# Altium PCB NC_Menlo Micro SP8T RF Board_04212024.PcbDoc (part 2 of 3)
Units mil, origin at the board's own origin, x right, y up, seen from the top; angles counter-clockwise.
Board outline 3670.29 x 2461.63 mil, 6 copper layers (TOP, L02_GND, L03_SIG, L04_GND, L05_GND, BOTTOM), stack 47.2 mil thick; 45 components, 41 nets, 408 pads, 2496 vias.
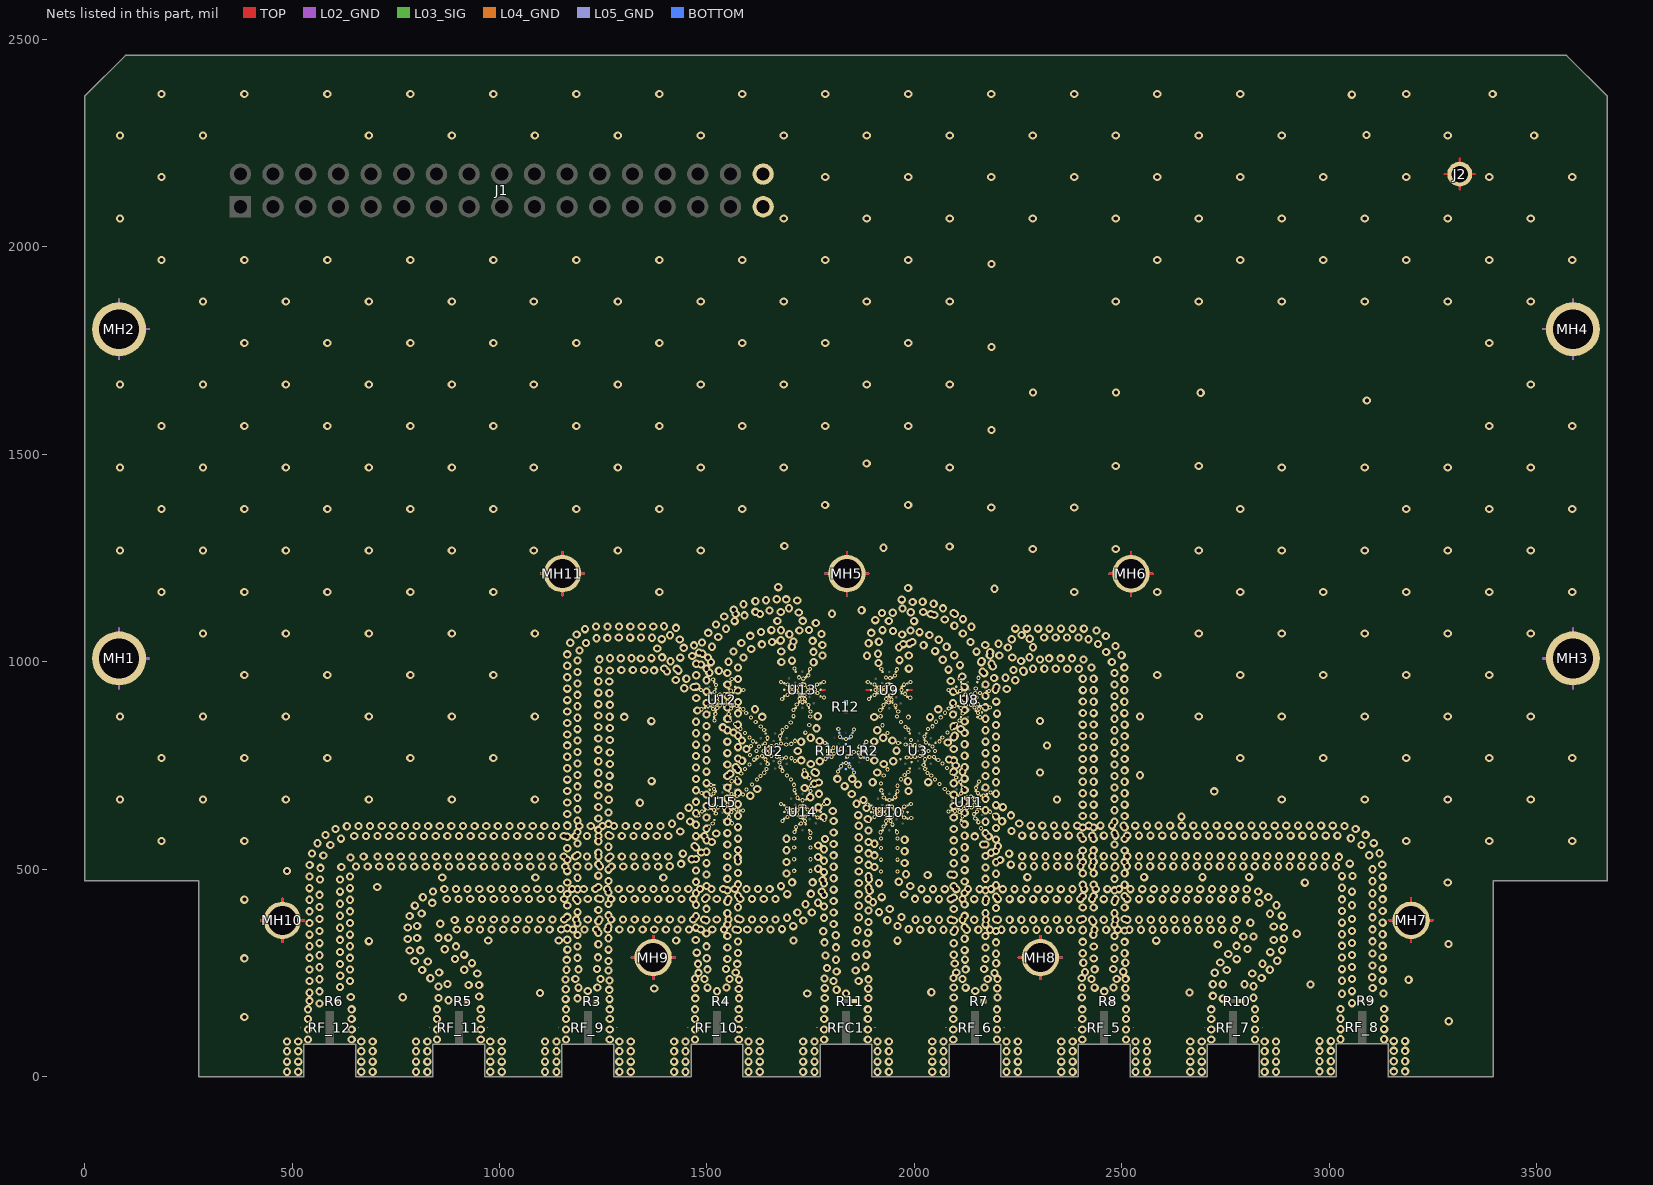
[diagram p6: the nets of this part, all layers, seen from the top]

## Via types
v1: diameter 20, hole 10, TOP to L02_GND, tented top, 791 vias
v2: diameter 20, hole 10, L05_GND to BOTTOM, tented top, 635 vias
v3: diameter 20, hole 10, TOP to BOTTOM, tented top, 619 vias
v4: diameter 10, hole 5, TOP to L02_GND, tented top, 386 vias
v5: diameter 12.01, hole 5.98, TOP to BOTTOM, 40 vias
v6: diameter 10, hole 5, L05_GND to BOTTOM, tented bottom, 25 vias

## Nets (pads, with @x,y where several pads share a name; then routed paths per layer and width w, separated by ;. In a path a pad name is that pad's centre, name@x,y a point inside that pad or via, vN(x,y) a via of type N, cw(c..) or ccw(c..) an arc to the next point about the centre after c; other vN are vias at no path point) (continued)
GND: J1.33 J1.34 J2.1 MH1.1 MH2.1 MH3.1 MH4.1 MH5.1 MH6.1 MH7.1 MH8.1 MH9.1 MH10.1 MH11.1 R1.2 R2.1 R3.2 R4.2 R5.2 R6.2 R7.2 R8.2 R9.2 R10.2 R11.2 R12.2 RF_5.2 RF_5.3 RF_6.2 RF_6.3 RF_7.2 RF_7.3 RF_8.2 RF_8.3 RF_9.2 RF_9.3 RF_10.2 RF_10.3 RF_11.2 RF_11.3 RF_12.2 RF_12.3 RFC1.2 RFC1.3 U1.1 U1.3 U1.4 U1.5 U1.6 U1.8 U1.10 U1.12 U1.13 U1.15 U1.17 U1.18 U1.19 U1.20 U1.22 U1.23 U1.24 U1.25 U1.26 U1.27 U1.28 U2.1 U2.3 U2.5 U2.6 U2.8 U2.10 U2.12 U2.13 U2.15 U2.17 U2.18 U2.19 U2.20 U2.22 U2.23 U2.24 U2.25 U2.26 U2.27 U2.28 U3.1 U3.3 U3.5 U3.6 U3.8 U3.10 U3.12 U3.13 U3.15 U3.17 U3.18 U3.19 U3.20 U3.22 U3.23 U3.24 U3.25 U3.26 U3.27 U3.28 U8.1 U8.3 U8.4 U8.5 U8.6 U8.8 U8.10 U8.11 U8.12 U8.13 U8.15 U8.17 U8.18 U8.19 U8.20 U8.22 U8.23 U8.24 U8.25 U8.26 U8.27 U8.28 U9.1 U9.3 U9.4 U9.5 U9.6 U9.8 U9.10 U9.11 U9.12 U9.13 U9.15 U9.17 U9.18 U9.19 U9.20 U9.22 U9.23 U9.24 U9.25 U9.26 U9.27 U9.28 U10.1 U10.3 U10.4 U10.5 U10.6 U10.8 U10.10 U10.11 U10.12 U10.13 U10.15 U10.17 U10.18 U10.19 U10.20 U10.22 U10.23 U10.24 U10.25 U10.26 U10.27 U10.28 U11.1 U11.3 U11.4 U11.5 U11.6 U11.8 U11.10 U11.11 U11.12 U11.13 U11.15 U11.17 U11.18 U11.19 U11.20 U11.22 U11.23 U11.24 U11.25 U11.26 U11.27 U11.28 U12.1 U12.3 U12.4 U12.5 U12.6 U12.8 U12.10 U12.11 U12.12 U12.13 U12.15 U12.17 U12.18 U12.19 U12.20 U12.22 U12.23 U12.24 U12.25 U12.26 U12.27 U12.28 U13.1 U13.3 U13.4 U13.5 U13.6 U13.8 U13.10 U13.11 U13.12 U13.13 U13.15 U13.17 U13.18 U13.19 U13.20 U13.22 U13.23 U13.24 U13.25 U13.26 U13.27 U13.28 U14.1 U14.3 U14.4 U14.5 U14.6 U14.8 U14.10 U14.11 U14.12 U14.13 U14.15 U14.17 U14.18 U14.19 U14.20 U14.22 U14.23 U14.24 U14.25 U14.26 U14.27 U14.28 U15.1 U15.3 U15.4 U15.5 U15.6 U15.8 U15.10 U15.11 U15.12 U15.13 U15.15 U15.17 U15.18 U15.19 U15.20 U15.22 U15.23 U15.24 U15.25 U15.26 U15.27 U15.28 | length 13236.7
  TOP w5: 424.92,376.49 MH10.1@476.94,376.49 ; 476.94,324.47 MH10.1@476.94,376.49 ; 476.94,428.51 MH10.1@476.94,376.49 ; 528.96,376.49 MH10.1@476.94,376.49 ; 1099.85,1212.02 MH11.1@1151.87,1212.02 ; 1151.87,1160 MH11.1@1151.87,1212.02 ; 1151.87,1264.04 MH11.1@1151.87,1212.02 ; 1203.89,1212.02 MH11.1@1151.87,1212.02 ; 1318.53,286.83 MH9.1@1370.55,286.83 ; 1370.55,234.81 MH9.1@1370.55,286.83 ; 1370.55,338.85 MH9.1@1370.55,286.83 ; 1422.57,286.83 MH9.1@1370.55,286.83 ; U12.11@1505.85,877.2 U12.11@1505.94,877.21 ; U15.4@1506.49,691.45 U15.4@1506.49,691.45 ; U12.4@1567.82,939.09 U12.4@1568.02,939.09 ; U15.11@1568.37,629.37 U15.11@1568.37,629.57 ; U14.4@1686.41,637.87 U14.4@1686.58,637.72 ; U13.4@1773.71,931.89 1785.03,931.89 ; U14.11@1774.12,637.72 U14.11@1774.28,637.87 ; 1785.1,1212.03 MH5.1@1837.12,1212.03 ; 1837.12,1160.01 MH5.1@1837.12,1212.03 ; 1837.12,1264.05 MH5.1@1837.12,1212.03 ; 1884.12,931.34 U9.11@1895.44,931.34 ; 1889.14,1212.03 MH5.1@1837.12,1212.03 ; U10.4@1895.74,637.24 U10.4@1895.91,637.4 ; U9.4@1982.96,931.34 1994.28,931.34 ; U10.11@1983.43,637.4 U10.11@1983.49,637.44 ; U8.11@2100.85,939.49 U8.11@2101.06,939.48 ; U11.4@2101.52,630.2 U11.4@2101.53,630.4 ; U8.4@2162.94,877.6 U8.4@2163.02,877.6 ; 2251.45,286.73 MH8.1@2303.47,286.73 ; 2303.47,234.71 MH8.1@2303.47,286.73 ; 2303.47,338.75 MH8.1@2303.47,286.73 ; 2355.49,286.73 MH8.1@2303.47,286.73 ; 2469.98,1211.78 MH6.1@2522,1211.78 ; 2522,1159.76 MH6.1@2522,1211.78 ; 2522,1263.8 MH6.1@2522,1211.78 ; 2574.02,1211.78 MH6.1@2522,1211.78 ; 3145.03,376.66 MH7.1@3197.05,376.66 ; 3197.05,324.64 MH7.1@3197.05,376.66 ; 3197.05,428.68 MH7.1@3197.05,376.66 ; 3249.07,376.66 MH7.1@3197.05,376.66 ; 3277.26,2174.96 J2.1@3314.28,2174.96 ; 3314.28,2137.94 J2.1@3314.28,2174.96 ; 3314.28,2211.98 J2.1@3314.28,2174.96 ; 3351.3,2174.96 J2.1@3314.28,2174.96
  TOP w10: v3@1881.82,189.12 v3@1882.1,189.4
  L02_GND w5: 83.18,935.85 MH1.1@83.18,1007.87 ; 83.18,1079.89 MH1.1@83.18,1007.87 ; 83.18,1729.16 MH2.1@83.18,1801.18 ; 83.18,1873.2 MH2.1@83.18,1801.18 ; 155.2,1007.87 MH1.1@83.18,1007.87 ; 155.2,1801.18 MH2.1@83.18,1801.18 ; 424.92,376.49 MH10.1@476.94,376.49 ; 476.94,324.47 MH10.1@476.94,376.49 ; 476.94,428.51 MH10.1@476.94,376.49 ; 528.96,376.49 MH10.1@476.94,376.49 ; MH11.1@1108,1212.02 MH11.1@1151.87,1212.02 ; 1151.87,1160 MH11.1@1151.87,1212.02 ; 1151.87,1264.04 MH11.1@1151.87,1212.02 ; 1203.89,1212.02 MH11.1@1151.87,1212.02 ; 1318.53,286.83 MH9.1@1370.55,286.83 ; 1370.55,234.81 MH9.1@1370.55,286.83 ; 1370.55,338.85 MH9.1@1370.55,286.83 ; 1422.57,286.83 MH9.1@1370.55,286.83 ; 1785.1,1212.03 MH5.1@1837.12,1212.03 ; 1837.12,1160.01 MH5.1@1837.12,1212.03 ; 1837.12,1264.05 MH5.1@1837.12,1212.03 ; 1889.14,1212.03 MH5.1@1837.12,1212.03 ; 2251.45,286.73 MH8.1@2303.47,286.73 ; 2303.47,234.71 MH8.1@2303.47,286.73 ; 2303.47,338.75 MH8.1@2303.47,286.73 ; 2355.49,286.73 MH8.1@2303.47,286.73 ; 2469.98,1211.78 MH6.1@2522,1211.78 ; 2522,1159.76 MH6.1@2522,1211.78 ; 2522,1263.8 MH6.1@2522,1211.78 ; 2574.02,1211.78 MH6.1@2522,1211.78 ; 3145.03,376.66 MH7.1@3197.05,376.66 ; 3197.05,324.64 MH7.1@3197.05,376.66 ; 3197.05,428.68 MH7.1@3197.05,376.66 ; 3249.07,376.66 MH7.1@3197.05,376.66 ; 3515.09,1007.87 MH3.1@3587.11,1007.87 ; 3515.09,1801.18 MH4.1@3587.11,1801.18 ; 3587.11,935.85 MH3.1@3587.11,1007.87 ; 3587.11,1079.89 MH3.1@3587.11,1007.87 ; 3587.11,1729.16 MH4.1@3587.11,1801.18 ; 3587.11,1873.2 MH4.1@3587.11,1801.18
  L03_SIG w5: 83.18,935.85 MH1.1@83.18,1007.87 ; 83.18,1079.89 MH1.1@83.18,1007.87 ; 83.18,1729.16 MH2.1@83.18,1801.18 ; 83.18,1873.2 MH2.1@83.18,1801.18 ; 155.2,1007.87 MH1.1@83.18,1007.87 ; 155.2,1801.18 MH2.1@83.18,1801.18 ; 424.92,376.49 MH10.1@476.94,376.49 ; 476.94,324.47 MH10.1@476.94,376.49 ; 476.94,428.51 MH10.1@476.94,376.49 ; 528.96,376.49 MH10.1@476.94,376.49 ; 1099.85,1212.02 MH11.1@1151.87,1212.02 ; 1151.87,1160 MH11.1@1151.87,1212.02 ; 1151.87,1264.04 MH11.1@1151.87,1212.02 ; 1203.89,1212.02 MH11.1@1151.87,1212.02 ; 1318.53,286.83 MH9.1@1370.55,286.83 ; 1370.55,234.81 MH9.1@1370.55,286.83 ; 1370.55,338.85 MH9.1@1370.55,286.83 ; 1422.57,286.83 MH9.1@1370.55,286.83 ; 1785.1,1212.03 MH5.1@1837.12,1212.03 ; 1837.12,1160.01 MH5.1@1837.12,1212.03 ; 1837.12,1264.05 MH5.1@1837.12,1212.03 ; 1889.14,1212.03 MH5.1@1837.12,1212.03 ; 2251.45,286.73 MH8.1@2303.47,286.73 ; 2303.47,234.71 MH8.1@2303.47,286.73 ; 2303.47,338.75 MH8.1@2303.47,286.73 ; 2355.49,286.73 MH8.1@2303.47,286.73 ; 2469.98,1211.78 MH6.1@2522,1211.78 ; 2522,1159.76 MH6.1@2522,1211.78 ; 2522,1263.8 MH6.1@2522,1211.78 ; 2574.02,1211.78 MH6.1@2522,1211.78 ; 3145.03,376.66 MH7.1@3197.05,376.66 ; 3197.05,324.64 MH7.1@3197.05,376.66 ; 3197.05,428.68 MH7.1@3197.05,376.66 ; 3249.07,376.66 MH7.1@3197.05,376.66 ; 3515.09,1007.87 MH3.1@3587.11,1007.87 ; 3515.09,1801.18 MH4.1@3587.11,1801.18 ; 3587.11,935.85 MH3.1@3587.11,1007.87 ; 3587.11,1079.89 MH3.1@3587.11,1007.87 ; 3587.11,1729.16 MH4.1@3587.11,1801.18 ; 3587.11,1873.2 MH4.1@3587.11,1801.18
  L04_GND w5: 83.18,935.85 MH1.1@83.18,1007.87 ; 83.18,1079.89 MH1.1@83.18,1007.87 ; 83.18,1729.16 MH2.1@83.18,1801.18 ; 83.18,1873.2 MH2.1@83.18,1801.18 ; 155.2,1007.87 MH1.1@83.18,1007.87 ; 155.2,1801.18 MH2.1@83.18,1801.18 ; 424.92,376.49 MH10.1@476.94,376.49 ; 476.94,324.47 MH10.1@476.94,376.49 ; 476.94,428.51 MH10.1@476.94,376.49 ; 528.96,376.49 MH10.1@476.94,376.49 ; 1099.85,1212.02 MH11.1@1151.87,1212.02 ; 1151.87,1160 MH11.1@1151.87,1212.02 ; 1151.87,1264.04 MH11.1@1151.87,1212.02 ; 1203.89,1212.02 MH11.1@1151.87,1212.02 ; 1318.53,286.83 MH9.1@1370.55,286.83 ; 1370.55,234.81 MH9.1@1370.55,286.83 ; 1370.55,338.85 MH9.1@1370.55,286.83 ; 1422.57,286.83 MH9.1@1370.55,286.83 ; 1785.1,1212.03 MH5.1@1837.12,1212.03 ; 1837.12,1160.01 MH5.1@1837.12,1212.03 ; 1837.12,1264.05 MH5.1@1837.12,1212.03 ; 1889.14,1212.03 MH5.1@1837.12,1212.03 ; 2251.45,286.73 MH8.1@2303.47,286.73 ; 2303.47,234.71 MH8.1@2303.47,286.73 ; 2303.47,338.75 MH8.1@2303.47,286.73 ; 2355.49,286.73 MH8.1@2303.47,286.73 ; 2469.98,1211.78 MH6.1@2522,1211.78 ; 2522,1159.76 MH6.1@2522,1211.78 ; 2522,1263.8 MH6.1@2522,1211.78 ; 2574.02,1211.78 MH6.1@2522,1211.78 ; 3145.03,376.66 MH7.1@3197.05,376.66 ; 3197.05,324.64 MH7.1@3197.05,376.66 ; 3197.05,428.68 MH7.1@3197.05,376.66 ; 3249.07,376.66 MH7.1@3197.05,376.66 ; 3515.09,1007.87 MH3.1@3587.11,1007.87 ; 3515.09,1801.18 MH4.1@3587.11,1801.18 ; 3587.11,935.85 MH3.1@3587.11,1007.87 ; 3587.11,1079.89 MH3.1@3587.11,1007.87 ; 3587.11,1729.16 MH4.1@3587.11,1801.18 ; 3587.11,1873.2 MH4.1@3587.11,1801.18
  L05_GND w5: 83.18,935.85 MH1.1@83.18,1007.87 ; 83.18,1079.89 MH1.1@83.18,1007.87 ; 83.18,1729.16 MH2.1@83.18,1801.18 ; 83.18,1873.2 MH2.1@83.18,1801.18 ; 155.2,1007.87 MH1.1@83.18,1007.87 ; 155.2,1801.18 MH2.1@83.18,1801.18 ; 424.92,376.49 MH10.1@476.94,376.49 ; 476.94,324.47 MH10.1@476.94,376.49 ; 476.94,428.51 MH10.1@476.94,376.49 ; 528.96,376.49 MH10.1@476.94,376.49 ; 1099.85,1212.02 MH11.1@1151.87,1212.02 ; 1151.87,1160 MH11.1@1151.87,1212.02 ; 1151.87,1264.04 MH11.1@1151.87,1212.02 ; 1203.89,1212.02 MH11.1@1151.87,1212.02 ; 1318.53,286.83 MH9.1@1370.55,286.83 ; 1370.55,234.81 MH9.1@1370.55,286.83 ; 1370.55,338.85 MH9.1@1370.55,286.83 ; 1422.57,286.83 MH9.1@1370.55,286.83 ; 1785.1,1212.03 MH5.1@1837.12,1212.03 ; 1837.12,1160.01 MH5.1@1837.12,1212.03 ; 1837.12,1264.05 MH5.1@1837.12,1212.03 ; 1889.14,1212.03 MH5.1@1837.12,1212.03 ; 2251.45,286.73 MH8.1@2303.47,286.73 ; 2303.47,234.71 MH8.1@2303.47,286.73 ; 2303.47,338.75 MH8.1@2303.47,286.73 ; 2355.49,286.73 MH8.1@2303.47,286.73 ; 2469.98,1211.78 MH6.1@2522,1211.78 ; 2522,1159.76 MH6.1@2522,1211.78 ; 2522,1263.8 MH6.1@2522,1211.78 ; 2574.02,1211.78 MH6.1@2522,1211.78 ; 3145.03,376.66 MH7.1@3197.05,376.66 ; 3197.05,324.64 MH7.1@3197.05,376.66 ; 3197.05,428.68 MH7.1@3197.05,376.66 ; 3249.07,376.66 MH7.1@3197.05,376.66 ; 3515.09,1007.87 MH3.1@3587.11,1007.87 ; 3515.09,1801.18 MH4.1@3587.11,1801.18 ; 3587.11,935.85 MH3.1@3587.11,1007.87 ; 3587.11,1079.89 MH3.1@3587.11,1007.87 ; 3587.11,1729.16 MH4.1@3587.11,1801.18 ; 3587.11,1873.2 MH4.1@3587.11,1801.18
  BOTTOM w5: 83.18,935.85 MH1.1@83.18,1007.87 ; 83.18,1079.89 MH1.1@83.18,1007.87 ; 83.18,1729.16 MH2.1@83.18,1801.18 ; 83.18,1873.2 MH2.1@83.18,1801.18 ; 155.2,1007.87 MH1.1@83.18,1007.87 ; 155.2,1801.18 MH2.1@83.18,1801.18 ; 424.92,376.49 MH10.1@476.94,376.49 ; 476.94,324.47 MH10.1@476.94,376.49 ; 476.94,428.51 MH10.1@476.94,376.49 ; 528.96,376.49 MH10.1@476.94,376.49 ; 1099.85,1212.02 MH11.1@1151.87,1212.02 ; 1151.87,1160 MH11.1@1151.87,1212.02 ; 1151.87,1264.04 MH11.1@1151.87,1212.02 ; 1203.89,1212.02 MH11.1@1151.87,1212.02 ; 1318.53,286.83 MH9.1@1370.55,286.83 ; 1370.55,234.81 MH9.1@1370.55,286.83 ; 1370.55,338.85 MH9.1@1370.55,286.83 ; 1422.57,286.83 MH9.1@1370.55,286.83 ; 1785.1,1212.03 MH5.1@1837.12,1212.03 ; 1837.12,1160.01 MH5.1@1837.12,1212.03 ; 1837.12,1264.05 MH5.1@1837.12,1212.03 ; 1889.14,1212.03 MH5.1@1837.12,1212.03 ; 2251.45,286.73 MH8.1@2303.47,286.73 ; 2303.47,234.71 MH8.1@2303.47,286.73 ; 2303.47,338.75 MH8.1@2303.47,286.73 ; 2355.49,286.73 MH8.1@2303.47,286.73 ; 2469.98,1211.78 MH6.1@2522,1211.78 ; 2522,1159.76 MH6.1@2522,1211.78 ; 2522,1263.8 MH6.1@2522,1211.78 ; 2574.02,1211.78 MH6.1@2522,1211.78 ; 3145.03,376.66 MH7.1@3197.05,376.66 ; 3197.05,324.64 MH7.1@3197.05,376.66 ; 3197.05,428.68 MH7.1@3197.05,376.66 ; 3249.07,376.66 MH7.1@3197.05,376.66 ; 3515.09,1007.87 MH3.1@3587.11,1007.87 ; 3515.09,1801.18 MH4.1@3587.11,1801.18 ; 3587.11,935.85 MH3.1@3587.11,1007.87 ; 3587.11,1079.89 MH3.1@3587.11,1007.87 ; 3587.11,1729.16 MH4.1@3587.11,1801.18 ; 3587.11,1873.2 MH4.1@3587.11,1801.18
  other v1: 566.29,176.26 3054.71,176.93 542.16,182.41 877.31,183.94 2743.45,187.72 853.18,189.27 2817.11,189.83 641.5,191.9 950.96,192.75 2719.33,194.56 3030.59,199.48 3130.47,199.98 542.16,202.11 566.29,205.31 3054.71,205.91 3104.44,213.39 615.5,216 853.18,217.27 2817.11,217.83 925.62,220.59 950.96,220.75 874.75,223.11 2719.33,222.56 2743.45,222.52 2795.38,222.48 542.16,230.11 639.94,230.11 3030.59,230.98 3128.37,230.98 566.29,234.37 3054.71,234.92 833.39,237.08 2836.9,237.64 3103.26,239.37 616.21,243.03 946.57,248.4 2814.08,248.31 2723.87,250.19 854.63,250.55 813.6,256.89 2752.94,256.89 542.16,258.11 639.94,258.11 914.99,257.48 2856.69,257.44 3030.59,258.98 3128.37,258.98 566.29,263.46 3054.71,263.9 3104.24,267.83 615.81,271.34 2838.69,271.73 933.84,273.34 2737.01,274.91 827.43,277.17 795.69,278.41 2874.39,279.14 2776.84,282.91 892.82,283.27 542.16,286.11 639.94,286.11 3030.59,286.98 3128.37,286.98 566.29,292.52 3054.71,292.87 914.83,293.9 2756.25,295.26 3104.24,296.81 2857.43,299.8 615.81,300.39 783.86,303.79 809.36,304.17 2885.92,304.66 867.98,306.93 2802.63,307.28 542.16,314.11 639.94,314.11 895.04,313.71 2776.04,315.06 3030.59,314.98 3128.37,314.98 566.29,321.57 3054.71,321.85 3104.24,325.79 2866.17,329.21 615.81,329.45 778.99,331.36 2890.47,332.28 801.6,333.82 853.22,334.21 876.74,334.9 2792.75,337.53 2817.07,337.6 542.16,342.11 639.94,342.11 3030.59,342.98 3128.37,342.98 566.29,350.63 3054.71,350.83 896.98,354.26 924.98,354.26 952.98,354.26 980.98,354.26 1008.98,354.26 1036.98,354.26 1064.98,354.26 1092.98,354.26 1120.98,354.26 1148.98,354.26 1176.98,354.26 1204.98,354.26 1232.98,354.26 1260.98,354.26 1288.98,354.26 1316.98,354.26 1344.98,354.26 1372.98,354.26 1400.98,354.26 1428.98,354.26 1456.98,354.26 1484.98,354.26 1512.98,354.26 1540.98,354.26 1568.98,354.26 1596.98,354.26 1624.98,354.26 1652.98,354.26 2014.06,353.94 2042.06,353.94 2070.06,353.94 2098.06,353.94 2126.06,353.94 2154.06,353.94 2182.06,353.94 2210.06,353.94 2238.06,353.94 2266.06,353.94 2294.06,353.94 2322.06,353.94 2350.06,353.94 2378.06,353.94 2406.06,353.94 2434.06,353.94 2462.06,353.94 2490.06,353.94 2518.06,353.94 2546.06,353.94 2574.06,353.94 2602.06,353.94 2630.06,353.94 2658.06,353.94 2686.06,353.94 2714.06,353.94 2742.06,353.94 2770.06,353.94 1986.09,355.17 3104.24,354.76 1680.95,355.35 615.81,358.5 778.9,359.36 2890.49,360.28 2865.93,361.65 801.52,362.87 1708,362.61 1959.13,362.74 857.43,368.27 542.16,370.11 639.94,370.11 2809.63,370.63 3030.59,370.98 3128.37,370.98 1732.45,376.26 1934.88,376.74 892.04,377.48 2002.67,378.07 2031.01,378.07 2059.36,378.07 2087.7,378.07 2116.05,378.07 2144.4,378.07 2172.74,378.07 2201.09,378.07 2229.44,378.07 2257.78,378.07 2286.13,378.07 2314.48,378.07 2342.82,378.07 2371.17,378.07 2399.48,378.07 2427.82,378.07 2456.17,378.07 2484.52,378.07 2512.86,378.07 2541.21,378.07 2569.56,378.07 2597.9,378.07 2626.25,378.07 2654.59,378.07 2682.94,378.07 2711.29,378.07 2739.63,378.07 2776.76,377.72 929.67,378.39 957.98,378.39 986.25,378.39 1014.56,378.39 1042.82,378.39 1071.13,378.39 1099.44,378.39 1127.7,378.39 1156.01,378.39 1184.28,378.39 1212.59,378.39 1240.85,378.39 1269.16,378.39 1297.47,378.39 1325.74,378.39 1354.04,378.39 1382.31,378.39 1410.62,378.39 1438.89,378.39 1467.19,378.39 1493.14,378.7 1523.77,378.39 1552.07,378.39 1580.34,378.39 1608.65,378.39 1636.92,378.39 1665.22,378.39 566.29,379.72 3054.71,379.8 1692.9,382.76 3104.24,383.74 1968.96,384.76 783.51,386.98 615.81,387.6 2885.52,387.84 812.39,392.87 2857.04,392.56 1717.86,395.47 1752.82,395.47 1914.86,396.32 542.16,398.11 639.94,398.11 3030.59,398.98 3128.37,398.98 1940.42,403.86 566.29,408.78 796.04,412.02 2872.66,412.71 3054.71,412.76 3104.24,412.76 1737.7,415.31 615.81,416.65 2831.37,418.23 838.06,418.54 1767.88,419.07 1900.31,420.24 542.16,426.11 639.94,426.11 2799.99,427.05 3030.59,426.98 3128.37,426.98 873.1,427.91 901.41,427.91 929.67,427.91 957.98,427.91 986.25,427.91 1014.56,427.91 1042.82,427.91 1071.13,427.91 1099.44,427.91 1127.7,427.91 1156.01,427.91 1184.28,427.91 1212.59,427.91 1243.26,427.72 1269.16,427.91 1297.47,427.91 1325.74,427.91 1354.04,427.91 1382.31,427.91 1410.62,427.91 1438.89,427.91 1467.19,427.91 1495.5,427.91 1523.77,427.91 1552.07,427.91 1580.34,427.91 1608.65,427.91 1636.92,427.91 1665.22,427.91 2001.56,428.19 2031.01,427.6 2059.36,427.6 2087.7,427.6 2116.05,427.6 2144.4,427.6 2172.74,427.6 2201.09,427.6 2229.44,427.6 2257.78,427.6 2286.13,427.6 2314.48,427.6 2342.82,427.6 2371.17,427.6 2399.52,427.6 2427.82,427.6 2456.17,427.6 2484.52,427.6 2512.86,427.6 2541.21,427.6 2569.56,427.6 2597.9,427.6 2626.25,427.6 2654.59,427.6 2682.94,427.6 2711.29,427.6 2739.63,427.6 2767.98,427.6 815.37,432.28 1921.33,432.4 2853.07,432.71 566.29,437.83 1975.42,438.86 1693.53,439.65 1750.42,440.28 3104.24,441.73 615.81,445.71 839.8,445.96 1776.71,445.64 2828.46,446.07 3054.71,445.67 1892.14,447.02 867.17,451.85 895.17,452.04 923.17,452.04 951.17,452.04 979.17,452.04 1007.17,452.04 1035.17,452.04 1063.17,452.04 1091.17,452.04 1119.17,452.04 1147.17,452.04 1175.17,452.04 1203.17,452.04 1231.17,452.04 1259.17,452.04 1287.17,452.04 1315.17,452.04 1343.17,452.04 1371.17,452.04 1399.17,452.04 1427.17,452.04 1455.17,452.04 1483.17,452.04 1511.17,452.04 1539.17,452.04 1567.17,452.04 1595.17,452.04 1623.17,452.04 1651.17,452.04 2017.01,451.72 2045.01,451.72 2073.01,451.72 2101.01,451.72 2129.01,451.72 2157.01,451.72 2185.01,451.72 2213.01,451.72 2241.01,451.72 2269.01,451.72 2297.01,451.72 2325.01,451.72 2353.01,451.72 2381.01,451.72 2409.01,451.72 2437.01,451.72 2465.01,451.72 2493.01,451.72 2521.01,451.72 2549.01,451.72 2577.01,451.72 2605.01,451.72 2633.01,451.72 2661.01,451.72 2689.01,451.72 2717.01,451.72 2745.01,451.72 2773.01,451.72 2801.01,451.6 542.16,454.11 639.94,454.11 3030.59,454.98 3128.37,454.98 1678.32,458.9 1990.04,459.23 1914.63,466.1 1705.26,467.95 1754.79,467.95 1962.19,469.37 3104.24,470.71 1778.92,473.56 567.5,475 615.81,474.8 1890.51,474.97 542.16,482.11 639.94,482.11 3030.59,482.98 3128.37,482.98 3056.01,483.46 2031.92,485.75 2087.04,486.93 1979.9,487.7 1691.64,489.26 3104.24,499.69 1768.02,500.96 568.5,503 619,505.12 1903.61,505.17 654.36,506.11 682.36,506.11 710.36,506.11 738.36,506.11 766.36,506.11 794.36,506.11 822.36,506.11 850.36,506.11 878.36,506.11 906.36,506.11 934.36,506.11 962.36,506.11 990.36,506.11 1018.36,506.11 1046.36,506.11 1074.36,506.11 1102.36,506.11 1130.36,506.11 1158.36,506.11 1186.36,506.11 1214.36,506.11 1242.36,506.11 1270.36,506.11 1298.36,506.11 1326.36,506.11 1354.36,506.11 1382.36,506.11 1410.35,506.81 2260.17,506.98 2288.17,506.98 2316.17,506.98 2344.17,506.98 2372.17,506.98 2400.17,506.98 2428.17,506.98 2456.17,506.98 2484.17,506.98 2512.17,506.98 2540.17,506.98 2568.17,506.98 2596.17,506.98 2624.17,506.98 2652.17,506.98 2680.17,506.98 2708.17,506.98 2736.17,506.98 2764.17,506.98 2792.17,506.98 2820.17,506.98 2848.17,506.98 2876.17,506.98 2904.17,506.98 2932.17,506.98 2960.17,506.98 2988.17,506.98 3016.17,506.98 542.41,510.11 2232.41,510.68 3127.7,510.97 1437.76,512.54 3049.36,513.23 1976.49,514.87 1691.64,517.26 2206.7,521.77 1463.39,523.82 641.05,527.95 1574.04,527.44 1768.02,528.96 706.13,530.24 734.2,530.24 762.23,530.24 790.26,530.24 818.3,530.24 846.33,530.24 874.36,530.24 902.43,530.24 930.46,530.24 958.49,530.24 986.52,530.24 1014.56,530.24 1042.63,530.24 1070.66,530.24 1098.69,530.24 1126.72,530.24 1154.75,530.24 1182.82,530.24 1210.85,530.24 1238.89,530.24 1266.92,530.24 1294.95,530.24 1322.98,530.24 1351.05,530.24 1379.08,530.24 1407.11,530.24 3023.3,529.57 672.55,530.31 2259.71,531.1 2287.86,531.1 2315.97,531.1 2344.12,531.1 2372.27,531.1 2400.38,531.1 2428.53,531.1 2456.64,531.1 2481.76,531.18 2512.94,531.1 2541.05,531.1 2569.2,531.1 2597.35,531.1 2625.46,531.1 2653.61,531.1 2681.72,531.1 2709.87,531.1 2738.02,531.1 2766.13,531.1 2794.28,531.1 2822.43,531.1 2850.54,531.1 2878.69,531.1 2906.8,531.1 2934.95,531.1 2963.1,531.1 2991.21,531.1 575.5,533 1903.61,533.17 3096.17,533.46 1441.92,537.17 548.23,537.5 2228.3,537.32 3120.88,538.13 1486.13,540.16 2184.91,539.35 1976.49,542.87 1691.64,545.26 2201.68,555.12 1469.87,555.71 1768.02,556.96 592.5,558 3077.67,557.87 2165.11,559.15 1903.61,561.17 561.36,562.23 3107.18,562.55 1511.45,565.15 1976.49,570.87 618.02,573.39 1691.64,573.26 3051.84,574.17 2145.31,578.95 2178.85,578.74 650.07,579.76 678.1,579.76 706.13,579.76 734.2,579.76 762.23,579.76 790.26,579.76 818.3,579.76 846.33,579.76 874.36,579.76 902.43,579.76 930.46,579.76 958.49,579.76 986.52,579.76 1014.56,579.76 1042.63,579.76 1070.66,579.76 1098.69,579.76 1126.72,579.76 1154.75,579.76 1182.82,579.76 1210.85,579.76 1238.89,579.76 1266.92,579.76 1294.95,579.76 1322.98,579.76 1351.05,579.76 1379.08,579.76 1407.11,579.76 1493.73,579.57 2259.71,580.63 2287.86,580.63 2315.97,580.63 2344.12,580.63 2372.27,580.63 2400.38,580.63 2428.53,580.63 2456.64,580.63 2484.79,580.63 2512.94,580.63 2541.05,580.63 2569.2,580.63 2597.35,580.63 2625.46,580.63 2653.61,580.63 2681.72,580.63 2709.87,580.63 2738.02,580.63 2766.13,580.63 2794.28,580.63 2822.43,580.63 2850.54,580.63 2878.69,580.63 2906.8,580.63 2934.95,580.63 2963.1,580.63 2991.21,580.63 3019.36,580.63 580.78,582.4 3087.54,582.51 1522.3,585.6 1435.66,590.71 2233.96,591.73 605,596.45 3063.36,596.61 632.15,603.3 660.14,603.89 688.14,603.89 716.14,603.89 744.14,603.89 772.14,603.89 800.14,603.89 828.14,603.89 856.14,603.89 884.14,603.89 912.14,603.89 940.14,603.89 968.14,603.89 996.14,603.89 1024.14,603.89 1052.14,603.89 1080.14,603.89 1108.14,603.89 1136.14,603.89 1164.14,603.89 1192.14,603.89 1220.14,603.89 1248.14,603.89 1276.14,603.89 1304.14,603.89 1332.14,603.89 1360.14,603.89 1388.14,603.89 3036.31,603.88 2280.33,604.76 2308.33,604.76 2336.33,604.76 2364.33,604.76 2392.33,604.76 2420.33,604.76 2448.33,604.76 2476.33,604.76 2504.33,604.76 2532.33,604.76 2560.33,604.76 2588.33,604.76 2616.33,604.76 2644.33,604.76 2672.33,604.76 2700.33,604.76 2728.33,604.76 2756.33,604.76 2784.33,604.76 2812.33,604.76 2840.33,604.76 2868.33,604.76 2896.33,604.76 2924.33,604.76 2952.33,604.76 2980.33,604.76 3008.33,604.76 1415.64,609.17 2252.78,609.77 1459.52,614.57 2211.52,615.28 1436.19,628.18 2232.98,629.57 1455.99,647.99 2213.18,649.36 1604.5,676.6 1985.9,688.4 1621.4,692.9 1769.5,708.9 1899.3,709.2 2033.3,709.6 1984.3,711.8 1556.2,729.7 1762.7,731.9 1910.5,732.6 2115.8,734.6 1569.3,745.4 2099.8,749.6 1584.9,761 2083.5,764.3 1595.2,789.5 2080.3,804.9 1584.3,810 2096.9,821.2 1564.2,829.1 1910.5,834.6 2111.6,837.8 1764,839.1 1538.3,841.6 1633.2,866.9 1903.1,866.6 2037.4,866.3 1766.9,868.2 2057.6,884.9 1615.6,885.4 2222.72,934.09 1445.23,935.83 1468.02,939.09 2197.82,938.86 2243.19,954.96 1424.76,955.91 1450.42,958.66 2219.75,961.14 1505.93,973.23 2163.96,975.87 2263.27,975.43 1403.89,976.38 1528.7,978 1431.52,978.35 2239.04,979.76 1986.7,983.1 1485.46,993.31 2185.62,995.16 1913.3,996.46 1509.93,998.73 1679.31,999.03 1757.11,998.43 2162.02,1001.59 1705.15,1002.36 1964.08,1003.54 1464.59,1013.78 1778.61,1014.93 1885.7,1014.3 1986.7,1014.9 2204.79,1014.69 1489.46,1018.81 1912.43,1019.13 2182.49,1022.46 1678.92,1024.22 1756.72,1023.62 1380.3,1031.6 1962.9,1034.65 2286,1034.5 1704.75,1035.83 1468.59,1039.28 1778.22,1040.12 2202.57,1042.93 1987.8,1043.3 1889.7,1044.4 1914.4,1047.87 1754.75,1050 1676.95,1050.6 1776.25,1066.5 1895.9,1069.4 1923.06,1075.83 1746.09,1076.38 1762.5,1093.2 1669.7,1098 1999.4,1097.5 1905.6,1100 1569.16,1115 1627.94,1115 1801.58,1115.26 2039.28,1115 2098.06,1115 1921.7,1117.4 1872.88,1123.88